# Altium PCB PCB_v1.PcbDoc (part 8 of 8)
Units mil, origin at the board's own origin, x right, y up, seen from the top; angles counter-clockwise.
Board outline 17000 x 5250 mil, 4 copper layers (Top Side, Ground Layer, Power Layer, Bottom Side), stack 33.2 mil thick; 637 components, 583 nets, 2779 pads, 978 vias.
Unrouted connection lines stored in the file: 104.
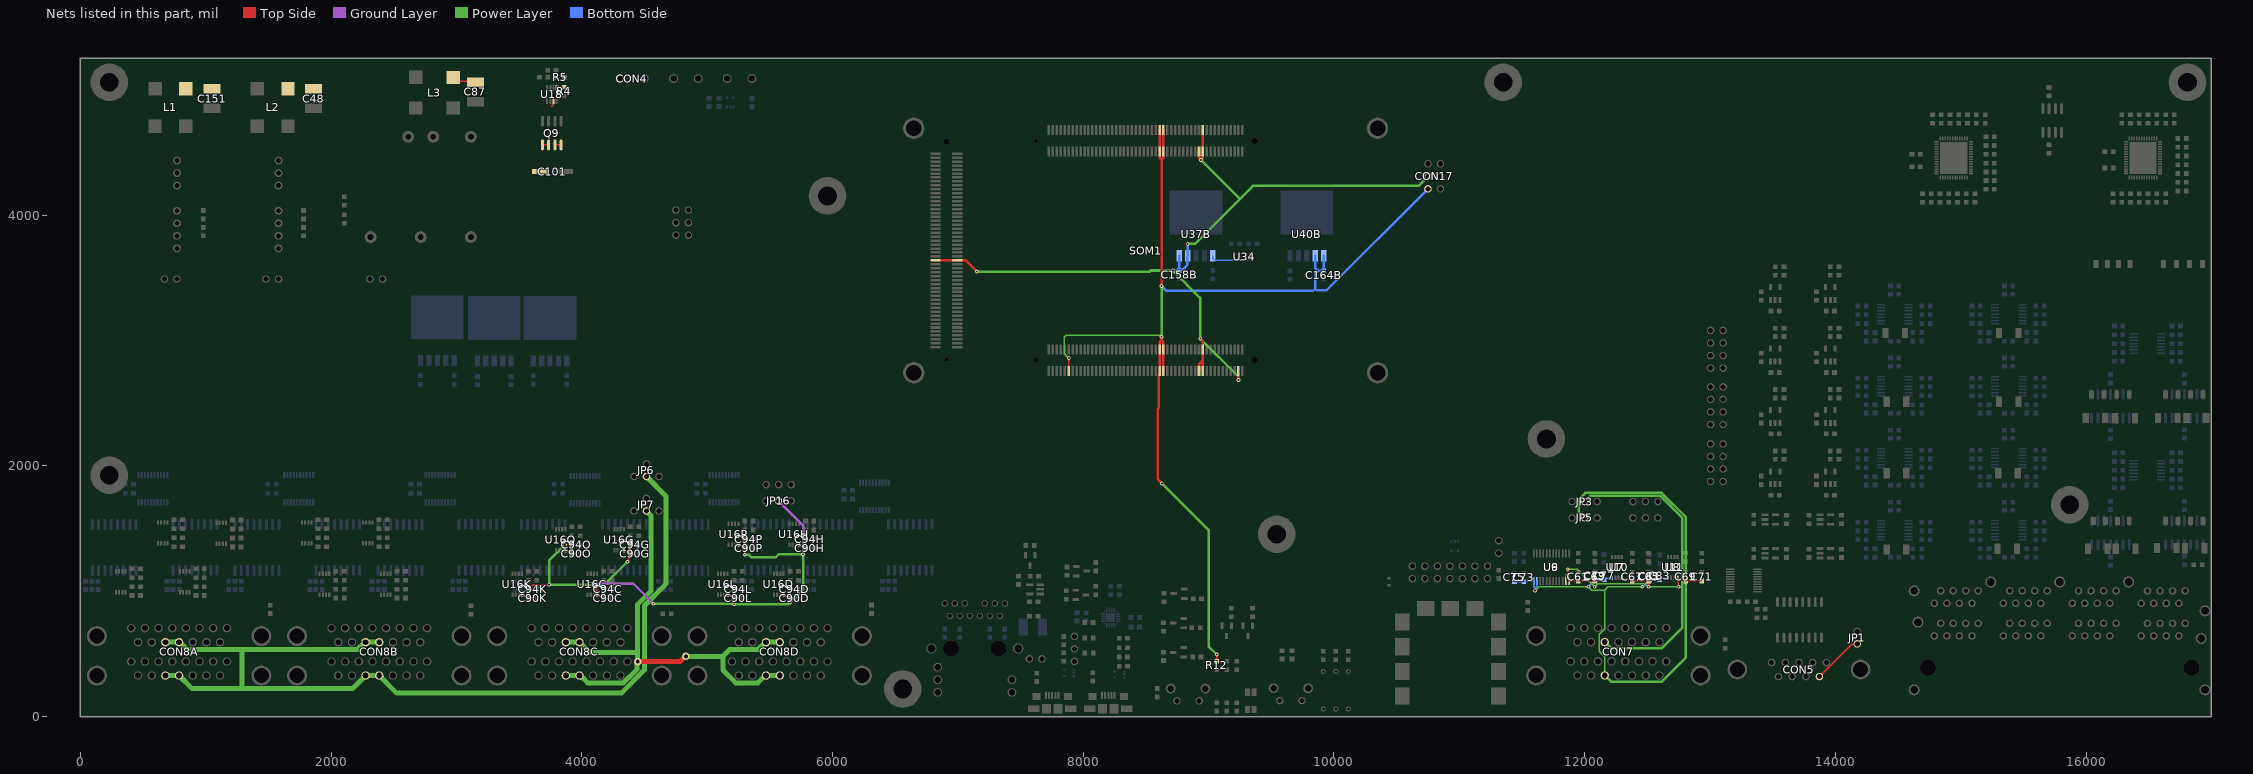
[diagram p10: the nets of this part, all layers, seen from the top]

## Via types
v1: diameter 30, hole 15, Top Side to Bottom Side, 913 vias
v2: diameter 25, hole 15, Top Side to Bottom Side, 30 vias
v3: diameter 60, hole 30, Top Side to Bottom Side, 29 vias
v4: diameter 50, hole 28, Top Side to Bottom Side, 4 vias
v5: diameter 40, hole 20, Top Side to Bottom Side, 2 vias

## Nets (pads, with @x,y where several pads share a name; then routed paths per layer and width w, separated by ;. In a path a pad name is that pad's centre, name@x,y a point inside that pad or via, vN(x,y) a via of type N, cw(c..) or ccw(c..) an arc to the next point about the centre after c; other vN are vias at no path point) (continued)
VBC: C90C.1 C90D.1 C90G.1 C90H.1 C90K.1 C90L.1 C90O.1 C90P.1 C94C.1 C94D.1 C94G.1 C94H.1 C94K.1 C94L.1 C94O.1 C94P.1 JP16.2 U16C.8 U16D.8 U16G.8 U16H.8 U16K.8 U16L.8 U16O.8 U16P.8 | length 5884.4
  Top Side w10: U16K.8@3522.07,972.11 3522.07,962.87 3525.34,959.61 3559,959.61 C90K.1@3573.61,945 C94K.1@3573.61,1016.67 3610.25,1053.31 v1(3739.09,1053.31) ; U16O.8@3869.02,1327.11 3869.02,1317.87 3872.28,1314.61 3905.94,1314.61 C90O.1@3920.55,1300 C94O.1@3920.55,1371.67 3918.88,1370 v1@3877.75,1370 ; v1(4068.5,1060) 4118.88,1009.62 4118.88,975.37 U16C.8@4122.15,972.11 4122.15,962.87 4125.42,959.61 4159.08,959.61 C90C.1@4173.69,945 C94C.1@4173.69,1016.67 ; U16G.8@4335.54,1327.11 4335.54,1317.87 4338.8,1314.61 4372.46,1314.61 C90G.1@4387.07,1300 ; v1(4365,1235) 4365,1240.41 4373.37,1248.78 4373.37,1286.3 C90G.1@4387.07,1300 ; C94G.1@4387.07,1371.67 C90G.1@4387.07,1300 ; U16L.8@5161.68,972.11 5161.68,962.87 5164.94,959.61 5198.61,959.61 C90L.1@5213.21,945 ; v1(5213.21,895.69) C90L.1@5213.21,945 ; C94L.1@5213.21,1016.67 C90L.1@5213.21,945 ; U16P.8@5248.18,1371.67 5248.18,1362.43 5251.45,1359.17 5285.11,1359.17 C90P.1@5299.72,1344.56 ; v1(5299.72,1290.87) C90P.1@5299.72,1344.56 ; C94P.1@5299.72,1416.23 C90P.1@5299.72,1344.56 ; U16D.8@5610,972.11 5610,962.87 5613.27,959.61 5646.93,959.61 C90D.1@5661.54,945 ; v1(5661.54,908.46) C90D.1@5661.54,945 ; C94D.1@5661.54,1016.67 C90D.1@5661.54,945 ; U16H.8@5732.54,1371.67 5732.54,1362.43 5735.8,1359.17 5769.46,1359.17 C90H.1@5784.07,1344.56 ; v1(5765,1295) 5765,1300.41 5770.37,1305.78 5770.37,1330.86 C90H.1@5784.07,1344.56 ; C94H.1@5784.07,1416.23 C90H.1@5784.07,1344.56
  Ground Layer w20: v1(4068.5,1060) 4410,1060 v1(4570,900) ; JP16.2@5570,1720 5765,1525 v1(5765,1295)
  Power Layer w20: v1(3865.54,1370) 3739.09,1243.56 v1(3739.09,1053.31) 4059.1,1053.31 4065.8,1060 4190,1060 v1(4365,1235) ; v1(4570,900) 5206.2,900 5212.07,894.13 5212.07,892.07 5215.69,895.69 5646.06,895.69 5660.36,910 5663.07,910 5765,1011.93 v1(5765,1295) 5569.73,1295 5544.73,1270 5353.57,1270 5334.61,1288.96 5301.63,1288.96 v1(5299.72,1290.87)
VCCIO_EN: U34.4 U37B.1 | length 237.9
  Bottom Side w10: U37B.1@9034.02,3676.54 9034.02,3656.94 9050.02,3640.94 U34.4@9245.71,3640.94
VCCO: C158B.1 CON17.3 SOM1.JX1-78 SOM1.JX1-79 SOM1.JX1-80 SOM1.JX2-78 SOM1.JX2-79 SOM1.JX2-80 SOM1.JX2-98 SOM1.JX3-45 SOM1.JX3-46 U37B.4 U37B.5 | length 6783.9
  Top Side w10: v1(9238.46,2685) SOM1.JX2-98@9238.46,2756.77
  Top Side w20: SOM1.JX3-45@6821.69,3639.15 6964.92,3639.15 SOM1.JX3-46@6994.92,3639.14 7064.14,3639.14 7150,3553.29 v1(7150,3550.35) ; SOM1.JX2-78@8923.5,2756.77 8923.5,2811.89 8955,2843.39 ; SOM1.JX1-78@8923.5,4506.77 8923.5,4456.77 v1@8940,4440.27 ; v1(8933.11,3015) 8933.11,3012.29 8955,2990.4 SOM1.JX2-79@8955,2930 8955,2843.39 ; v1(8940,4440) v1@8940,4440.27 ; SOM1.JX2-80@8955,2756.77 8955,2843.39 ; SOM1.JX1-79@8955,4680 8955,4536.77 SOM1.JX1-80@8955,4506.77 8955,4456.77 8940,4441.77 v1@8940,4440.27
  Power Layer w20: v1(7150,3550.35) 8529.27,3550.35 8537.39,3558.46 v1(8715,3558.46) 8933.11,3340.35 v1(8933.11,3015) 9236.55,2711.56 9236.55,2686.91 v1(9238.46,2685) ; v1(8833.02,3770.67) 8890.91,3770.67 9214.1,4093.85 9250.12,4129.88 ; v1(8940,4440) 9250.12,4129.88 ; CON17.3@10750,4310 10673.16,4233.16 9353.4,4233.16 9250.12,4129.88
  Bottom Side w20: v1(8715,3558.46) C158B.1@8766.02,3558.46 ; U37B.5@8766.02,3676.54 C158B.1@8766.02,3558.46 ; v1(8833.02,3770.67) U37B.4@8833.02,3676.54 8829.89,3673.4 8829.89,3601.54 8794.72,3566.37 8773.93,3566.37 C158B.1@8766.02,3558.46
VENCODER: CON5.6 JP1.2 | length 409.5
  Top Side w10: CON5.6@13873.58,319.09 14130,575.51 14170.51,575.51 JP1.2@14175,580
VGPIOA: C61.1 C63.1 C65.1 C67.1 C69.1 C71.1 CON7.13A JP3.2 U6.23 U6.24 U7.8 U8.8 | length 4365.9
  Top Side w10: U6.23@11850.16,1079.76 11850.16,1130.16 11865,1145 ; v1(11865,1175) 11865,1145 ; U6.24@11875.75,1079.76 U6.24@11875.75,1080.63 ; C63.1@12080,1081.54 C61.1@11950,1081.54 11876.65,1081.54 U6.24@11875.75,1080.63 ; U7.8@12295.98,1107.12 12295.98,1097.88 12299.25,1094.62 12366.92,1094.62 C67.1@12380,1081.54 C65.1@12510,1081.54 v1(12510,1035) ; U8.8@12741.77,1097.88 U8.8@12741.77,1107.12 ; v1(12750,1035) 12745.04,1039.96 12745.04,1094.62 12792.51,1094.62 C69.1@12805.59,1081.54 C71.1@12935,1081.54 ; 11865,1145 11875.75,1134.25 U6.24@11875.75,1080.63
  Power Layer w10: v1(11865,1175) 11940,1175 v1(12080,1035) 12105,1060 12485,1060 v1(12510,1035) v1(12750,1035) 12780,1035
  Power Layer w20: JP3.2@12000,1715 12045,1760 12603.64,1760 12780,1583.64 12780,1035 12780,708.91 12616.59,545.5 12209,545.5 CON7.13A@12160.5,594
VGPIOB: C73.1 C75.1 C77.1 C79.1 C81.1 C83.1 CON7.13B JP5.2 U9.23 U9.24 U10.8 U11.8 | length 5346.9
  Power Layer w10: v1(11605,1004.25) 11635.75,1035 v1(12030,1035) 12056,1009 12160,1009 12186,1035 v1(12460,1035) ; CON7.13B@12160,328.5 12160.5,329 12160.5,477.7 12117,521.2 12117,655.48 12160.5,698.98 12160.5,1008.5
  Power Layer w20: JP5.2@12000,1585 11955,1630 11955,1733.64 12006.36,1785 12613.99,1785 12805,1593.99 12805,467.91 12616.59,279.5 12209,279.5 CON7.13B@12160,328.5
  Bottom Side w10: C75.1@11438.46,1075 C75.1@11440,1076.54 C73.1@11515,1076.54 11517.32,1078.86 11593.35,1078.86 U9.24@11594.25,1079.76 11595.16,1078.86 11595.16,1034.84 11605,1025 ; v1(11605,1004.25) 11605,1025 ; U9.23@11619.84,1079.76 11618.94,1078.86 11618.94,1038.94 11605,1025 ; v1(12030,1035) 12030,1036.54 C79.1@12085,1091.54 C77.1@12155,1091.54 12168.7,1105.24 12218.13,1105.24 U10.8@12220,1107.11 ; v1(12460,1035) 12463.83,1038.83 12472.29,1038.83 C81.1@12520,1086.54 12595,1086.54 12613.7,1105.24 12663.13,1105.24 U11.8@12665,1107.11
VIN: CON4.1 Q9.7 Q9.8 R4.2 R5.2 U18.1 | length 113.7
  Top Side w10: Q9.7@3785,4560.56 Q9.8@3835,4560.56 ; U18.1@3799.56,5015.05 3799.56,5017.99 3802.43,5020.87 R4.2@3859.14,5020.87
VIN2: C48.2 C87.2 C101.1 C151.2 L1.1 L2.1 L3.2 Q9.5 Q9.6 U18.7 | length 306.1
  Top Side w10: L3.2@2973.89,5098.87 3002.76,5070 3140.43,5070 C87.2@3150,5060.43 ; Q9.5@3685,4560.56 Q9.6@3735,4560.56 ; 3735,4630 3735,4638.6 ; 3755.73,4863.97 3771.09,4879.33 3771.09,4909.02 U18.7@3773.97,4911.9
VIN_HDR: C164B.1 CON17.1 R12.2 SOM1.JX1-57 SOM1.JX1-58 SOM1.JX1-59 SOM1.JX1-60 SOM1.JX2-12 SOM1.JX2-57 SOM1.JX2-58 SOM1.JX2-59 SOM1.JX2-60 U40B.1 U40B.2 | length 8959.7
  Top Side w10: SOM1.JX2-12@7884.13,2756.77 7884.57,2757.2 7884.57,2859.57 v1(7885,2860) ; R12.2@9065,441.06 v1(9065,495)
  Top Side w20: SOM1.JX1-57@8608.54,4680 8608.54,4650 SOM1.JX1-58@8608.54,4506.77 8608.54,4456.2 8625,4439.74 ; v1(8625,3030) 8625,3005 ; v1(8625,3435) 8625,4439.74 ; v1(8627.05,1860) 8595,1892.05 8595,2457.43 8602.05,2464.47 8602.05,2720.28 8608.54,2726.77 SOM1.JX2-58@8608.54,2756.77 8608.54,2900 SOM1.JX2-57@8608.54,2930 8608.54,2988.54 8625,3005 ; SOM1.JX2-60@8640.04,2756.77 8640.04,2989.96 8625,3005 ; SOM1.JX1-59@8640.04,4680 8640.04,4536.77 SOM1.JX1-60@8640.04,4506.77 8640.04,4454.78 8625,4439.74
  Power Layer w10: v1(7885,2860) 7850,2895 7850,3025.36 7864.64,3040 8609.59,3040 8619.59,3030 v1(8625,3030)
  Power Layer w20: v1(8625,3030) v1(8625,3435) ; v1(8627.05,1860) 9000,1487.05 9000,560 v1(9065,495)
  Bottom Side w20: v1(8625,3435) 8665,3395 9833,3395 9850.88,3412.88 ; U40B.2@9850.88,3676.54 9850.88,3577.13 9873.01,3555 ; U40B.1@9917.88,3676.54 C164B.1@9917.88,3555 9873.01,3555 ; CON17.1@10750,4210 9941.17,3401.17 9862.6,3401.17 9850.88,3412.88 ; 9850.88,3412.88 9850.88,3532.87 9873.01,3555
VSUPPLYA: CON8A.12A CON8A.12B CON8A.13A CON8A.13B CON8B.12A CON8B.12B CON8B.13A CON8B.13B JP6.2 | length 7792.9
  Power Layer w40: CON8A.13B@677.5,327 CON8A.12B@786.5,327 891.5,222 1290,222 ; CON8A.13A@677.5,593 793.81,593 852.31,534.5 1300,534.5 ; CON8B.12A@2383.83,593 2267.53,593 2209.03,534.5 1300,534.5 ; JP6.2@4515,1914.99 4670,1759.99 4670,1056.57 4500,886.57 4500,372.46 4314.57,187.03 2523.8,187.03 CON8B.12B@2383.83,327 CON8B.13B@2274.83,327 2169.83,222 1290,222 ; 1290,222 1290,524.5 1300,534.5
VSUPPLYB: CON8C.12A CON8C.12B CON8C.13A CON8C.13B CON8D.12A CON8D.12B CON8D.13A CON8D.13B JP7.2 | length 4395.4
  Top Side w40: v3(4445,439) 4783.73,439 4824.73,480 v3(4830.14,480)
  Power Layer w40: CON8C.13B@3872.17,327 3988.47,327 4046.97,268.5 4332.4,268.5 4441.17,377.28 4441.17,435.17 v3(4445,439) 4445,510.51 ; CON8C.13A@3872.17,593 CON8C.12A@3981.17,593 4063.65,510.51 4445,510.51 ; JP7.2@4515,1640 4515,1639.33 4550,1604.33 4550,1000.21 4445,895.21 4445,510.51 ; v3(4830.14,480) 5115,480 5125,470 5125,370.77 5227.27,268.5 5403.69,268.5 5462.19,327 CON8D.12B@5578.5,327 ; 5120,475 5179.5,534.5 5403.69,534.5 5462.19,593 CON8D.12A@5578.5,593
pads on no net: CON1. CON6. CON6.15 CON9.5 CON9.6 CON9.7 CON10.12 CON11.SH CON12.4 CON12.SH D1.1 D1.3 D1.5 D8.4 SOM1.0 SOM1.JX1-5 SOM1.JX1-7 SOM1.JX1-91 SOM1.JX1-93 SOM1.JX1-94 SOM1.JX2-7 SOM1.JX2-9 SOM1.JX3-1 SOM1.JX3-2 SOM1.JX3-3 SOM1.JX3-4 SOM1.JX3-5 SOM1.JX3-7 SOM1.JX3-8 SOM1.JX3-9 SOM1.JX3-10 SOM1.JX3-11 SOM1.JX3-13 SOM1.JX3-14 SOM1.JX3-15 SOM1.JX3-16 SOM1.JX3-19 SOM1.JX3-20 SOM1.JX3-21 SOM1.JX3-22 SOM1.JX3-25 SOM1.JX3-26 SOM1.JX3-27 SOM1.JX3-28 SOM1.JX3-30 SOM1.JX3-31 SOM1.JX3-32 SOM1.JX3-33 SOM1.JX3-34 SOM1.JX3-36 SOM1.JX3-37 SOM1.JX3-38 SOM1.JX3-39 SOM1.JX3-40 U1.42 U2.42 U3.3 U3.8 U4.5 U4.16 U5.8 U14.3 U14.8 U18.6 U38A.4 U38B.4 U38C.4 U38D.4 U43.3 U44.1 U44.2 U44.10 U44.11 U44.13 U44.15 U44.16 U45.1 U45.5 U45.7 U45.8 U47A.1 U47A.7 U47B.1 U47B.7 U48A.1 U48A.7 U48B.1 U48B.7

## Polygon pours and split planes (outlines as drawn)
SH_AGND on Top Side "SH_AGND_POUR" (solid, pour order 13): 16910,1132.53 16910,1150 16985,1150 16985,0 14390,0 14390,1132.53
SH_USBOTG on Top Side "SH_USBOTG_POUR" (solid, pour order 9): 7535,0 7535,313.03 7975,313.03 7975,0
SH_GND_INV on Top Side "SH_GND_INV_POUR" (solid, pour order 23): 3075,775 3075,855 3155,855 3155,5 1615,5 1615,775
SH_GND_INV on Top Side "SH_GND_INV_POUR" (solid, pour order 15): 1475,860 1475,775 15,775 15,5 1555,5 1555,860
VIN on Top Side "SH_GND_INV_POUR" (solid, pour order 79): 4410,5250 4410,4480 3740,4480 3740,5250
SH_GPIO on Top Side "VIN_POUR" (solid, pour order 29): 13040,0 11500,0 11500,880 11595,880 11595,775 13040,775
SH_GND_INV on Top Side "SH_GND_INV_POUR" (solid, pour order 27): 6350,857.07 6270,857.07 6270,775 4805,775 4805,5 6350,5
SH_GND_INV on Top Side "SH_GND_INV_POUR" (solid, pour order 25): 4750,860 4670,860 4670,775 3210,775 3210,5 4750,5
SH_ETH on Top Side "SH_ETH_POUR" (solid, pour order 8): 7435.14,1010 7435.34,1095 7535,1095 7535,0 6725,0 6725,1010
VIN2 on Top Side "VIN2_L01_P002" (solid, pour order 2): 3770,4940 3770.87,4939.13 3770.87,4300 3420,4300 3420,4925 720,4925 720,5230 3770,5230
SH_USBUART on Top Side "SH_USBOTG_POUR" (solid, pour order 11): 7985,0 7985,313.03 8410,313.03 8410,0
SH_ENC on Top Side "SH_ENC_POUR" (solid, pour order 6): 13212.07,495 13168.53,538.54 13168.53,580 13065,580 13065,0 14320,0 14320,495
VIN2 on Top Side "VIN_POUR" (solid, pour order 4): 13070,21.73
no net on Top Side "Component Side-No Net" (solid, pour order 0): 0,4750
5.5V on Power Layer (solid, pour order 81): 13505,3450.49 13505,1690 13906,1690 13906,1250 13267.61,1250 13267.61,3448.1 13270,3450.49 8860.51,3450.49 8713.55,3597.45 6345.76,3597.45 5353.31,2605 2740,2605 2740,2800 5227.78,2800 6195.67,3767.89 13505,3767.89
-16V on Power Layer "-16V_POUR" (solid, pour order 59): 11859.09,5050 11519.09,4710 11142.1,4710 10798.91,5050 1700.71,5050 1700.71,3586.59 1520.35,3586.43 1520.35,3426.57 1700.71,3426.57 1920,3426.57 1920,4900 10748.39,4900 11080.72,4565.62 11585.62,4565.62 11920,4900 13529.75,4900 13529.75,1732.6 13724.98,1732.6 13725,5050
2.5VREF on Power Layer "2V5_REF" (solid, pour order 77): 14910,4280 14910,4160 15161.41,4160 15161.41,4105 16798.46,4105 16798.46,4710 16550,4710 16550,4640 16620,4640 16620,4270 15890,4270 15890,4600.17 15705,4600 15705,4225 15268.46,4225 15268.46,4715 15050,4715 15050,4635 15105,4635 15105,4280
+16V on Power Layer "+16V_POUR" (solid, pour order 57): 11771.09,5225 11436.09,4890 11258.69,4890 10926.43,5225 910,5225 910,3586.47 720,3586.59 720,3426.57 1100,3426.57 1100,5075 10821.13,5075 11163.06,4733.07 11498.07,4733.07 11840,5075 13750,5075 13750,1731.39 13950,1731.39 13950,5075 13950,5225
GND_IN on Bottom Side (solid, pour order 85): 3926.67,4752.06 3926.67,4329.27 3925.98,4328.58 3810.37,4328.58 3810.37,4751.69 3810,4752.06 500,4752.06 500,5250 4547.48,5250 4550,5247.48 4550,4752.06
no net on Bottom Side (solid, pour order 83): 4545.72,5234.71
GND on Ground Layer "GND_POWER" (solid, pour order 31): 0,5250 0,0 17000,0 17000,5250

## Other copper
Top Side:
  text "A" at 11130.67,3713.71 h140
  text "M" at 11130.67,3517.05 h140
  text "D" at 11134,3320.38 h140
  text "C" at 11134,3123.71 h140

## Silkscreen, mask and mechanical layers (free items; w line width, h text height)
Top Overlay:
  lines w10: 4895,3840 4920,3840 4920,3940 ; 4895,3940 4920,3940 ; 4895,4040 4920,4040 4920,3940 ; 5394.83,1745 5394.83,1720 5424.83,1720 ; 5394.83,1825 5394.83,1850 5424.83,1850 ; 5714.83,1720 5744.83,1720 5744.83,1745 ; 5714.83,1850 5744.83,1850 5744.83,1825 ; 10498.31,4125 11850,4125 11875,4150 11875,4475 11850,4500 10498.31,4500 ; 10625,1245 10625,1270 10725,1270 ; 10725,1245 10725,1270 ; 10825,1245 10825,1270 ; 10895,4210 10920,4210 10920,4310 ; 10895,4310 10920,4310 ; 10895,4410 10920,4410 10920,4310 ; 11025,1245 11025,1270 ; 11125,1245 11125,1270 ; 11225,1245 11225,1270 11125,1270 ; 11825,1610 11825,1585 11855,1585 ; 11825,1690 11825,1715 11855,1715 ; 11875,1650 12000,1650 12125,1650 ; 12145,1585 12175,1585 12175,1610 ; 12145,1715 12175,1715 12175,1690 ; 12310,1610 12310,1585 12340,1585 ; 12310,1690 12310,1715 12340,1715 ; 12360,1650 12485,1650 12610,1650 ; 12630,1585 12660,1585 12660,1610 ; 12630,1715 12660,1715 12660,1690 ; 12960,1875 12935,1875 12935,1975 ; 12960,1975 12935,1975 ; 12960,2075 12935,2075 ; 12960,2175 12935,2175 12935,2075 ; 13150,2330 13175,2330 13175,2430 ; 13150,2430 13175,2430 ; 13150,2530 13175,2530 ; 13150,2630 13175,2630 13175,2530 ; 13150,2780 13175,2780 13175,2880 ; 13150,2880 13175,2880 ; 13150,2980 13175,2980 ; 13150,3080 13175,3080 13175,2980 ; 10725,1270 10825,1270 ; 10825,1270 10925,1270 ; 10925,1270 10925,1245 10925,1270 ; 10925,1270 11025,1270 ; 11025,1270 11125,1270 ; 12935,1975 12935,2075 ; 13175,2430 13175,2530 ; 13175,2880 13175,2980 ; 4175,1600 4180,1595 4515,1595 4970,1595 4975,1600 4975,2295 4970,2300 4180,2300 4175,2295 4175,1600 ; 4200,3800 4225,3775 5350,3775 5375,3800 5375,4401.54 5350,4426.54 4226.54,4426.54 4200,4400 4200,3800 ; 5325,1680 5330,1675 5575,1675 6170,1675 6175,1680 6175,2145 6170,2150 5330,2150 5325,2145 5325,1680 ; 11750,1500 11775,1475 12000,1475 12700,1475 12725,1500 12725,1900 12700,1925 11775,1925 11750,1900 11750,1500
  lines w50: 12080,2595 12175,2595 12305,2725 12305,3875 ; 12091.29,2595 11175,2595 11050,2720 11050,2745 11050,3880 11176.39,4006.39 12173.61,4006.39 ; 12178.61,4006.39 12305,3880
  text "V+" at 4251.59,4855 h45
  text "V-" at 4448.44,4855 h45
  text "V-" at 4681.59,4855 h45
  text "V+" at 4878.44,4855 h45
  text "VIN" at 4211.3,4690 h60
  text "VDRIVE" at 4603.82,4690 h60
  text "ESTOP" at 4957.27,4690 h60
  text "GND" at 10885,4424.17 h30
  text "2V5REF" at 10513.26,4375.01 h30
  text "VCCO" at 10513.26,4275.01 h30
  text "VOLTAGE / TEST POINTS" at 11020,4192.04 h75
  text "VINHDR" at 10500,4175.01 h30
  text "GENERAL VOLTAGE / TEST POINTS" at 4210,4145 h75
  text "GND" at 4885,4054.17 h30
  text "5V" at 4550,4005.01 h30
  text "3V3" at 4550,3905.01 h30
  text "1V8" at 4550,3805.01 h30
  text "+16V" at 500,3340 h40
  text "-16V" at 1280,3340 h40
  text "5V5" at 2120,3340 h40
  text "dvanced / otor / rive / ontroller" at 11294,3128.71 h110
  text "GND" at 13140,3094.17 h30
  text "D-" at 12890,3045 h30
  text "D+" at 12890,2945 h30
  text "C-" at 12890,2845 h30
  text "Severson Group" at 11170,2770 h200
  text "C+" at 12890,2745 h30
  text "REV20180702A" at 11180,2660 h50
  text "GND" at 13140,2644.17 h30
  text "B-" at 12890,2595 h30
  text "15V" at 12865,2550 h75 r90
  text "+" at 12801.51,2525 h40 r90
  text "-" at 12841.51,2525.15 h40 r90
  text "DRIVE" at 4940,2497.79 h75
  text "B+" at 12890,2495 h30
  text "A-" at 12890,2395 h30
  text "CONTROL" at 4875,2369.33 h75
  text "A+" at 12890,2295 h30
  text "SUPPLY" at 4363.38,2220 h50
  text "GND" at 12870,2190 h30
  text "A" at 13140,2145 h30
  text "VOLTAGE" at 4338.39,2140 h50
  text "SIGNAL" at 5429.99,2060 h50
  text "3V3" at 4452.52,2044.99 h30
  text "C" at 13140,2045 h30
  text "INV1..4" at 4595,2005 h50
  text "VOLTAGE" at 5405,1970 h50
  text "GPIO" at 12005,1945 h125
  text "B" at 13140,1945 h30
  text "2.5V" at 12865,1890 h75 r90
  text "VDRIVE" at 4185,1880 h30
  text "5V" at 4665,1880 h30
  text "D" at 13140,1845 h30
  text "INV1..4" at 5815,1815.01 h50
  text "-16V / SHORT" at 1620,1805 h40
  text "5V5 / SHORT" at 3104.29,1790.99 h40
  text "VOLTAGE" at 11730.08,1785 h50
  text "DIRECTION" at 12266.73,1785 h50
  text "3V3" at 4452.52,1770 h30
  text "A" at 11978.34,1755 h35
  text "A" at 12463.34,1755 h35
  text "3V3" at 5324.83,1750 h30
  text "5V" at 5684.83,1750 h30
  text "INV5..8" at 4590,1730 h50
  text "INV5..8" at 5815,1685.01 h50
  text "ETHERNET" at 6630.99,1672.5 h125
  text "USB" at 7785,1660 h125
  text "3V3" at 11755,1615 h30
  text "5V" at 12115,1615 h30
  text "1V8" at 12240,1615 h30
  text "0V" at 12600,1615 h30
  text "VDRIVE" at 4185,1605.01 h30
  text "5V" at 4665,1605.01 h30
  text "INVERTERS" at 2685,1547.87 h125
  text "B" at 11978.34,1490 h35
  text "B" at 12463.34,1490 h35
  text "OTG" at 7631.73,1485 h75
  text "UART" at 8043.53,1485 h75
  text "JTAG" at 10674.77,1330 h125
  text "GND" at 10615,1280 h30
  text "ANALOG INPUTS" at 14900,1120 h125
  text "3V3" at 10650,910 h30 r90
  text "TMS" at 10750,910 h30 r90
  text "TCK" at 10850,910 h30 r90
  text "TDO" at 10950,910 h30 r90
  text "TDI" at 11050,910 h30 r90
  text "NC" at 11150,910 h30 r90
  text "RST" at 11250,910 h30 r90
  text "INVERTERS 1..2" at 130,778 h50
  text "INVERTERS 3..4" at 1727.33,778 h50
  text "INVERTERS 5..6" at 3324.67,778 h50
  text "INVERTERS 7..8" at 4922,778 h50
  text "BTN1" at 9473.14,277.38 h70
  text "RESET" at 8653.06,274.78 h70
Top Solder:
  text "A" at 11125.64,3578.71 h140
  text "M" at 11125.64,3382.05 h140
  text "D" at 11128.97,3185.38 h140
  text "C" at 11128.97,2988.71 h140
Mechanical 1:
  the board outline again, w1

## Text inside footprints (layer, text, board x,y; h text height)
SOM1: Top Overlay "JX3" at 6981.81,2784.89 h60 r180; Top Overlay "100" at 7096.81,4477.89 h40 r90; Top Overlay "99" at 6761.81,4480.89 h40 r90; Top Overlay "2" at 7078.29,2896.89 h40 r90; Top Overlay "1" at 6775.29,2915.89 h40 r90; Top Overlay "25" at 6747.32,3289.47 h30 r90; Top Overlay "26" at 7087.32,3296.47 h30 r90; Top Overlay "51" at 6747.32,3704.47 h30 r90; Top Overlay "75" at 6752.32,4086.47 h30 r90; Top Overlay "76" at 7097.32,4086.47 h30 r90; Top Overlay "50" at 7097.32,3676.47 h30 r90; Top Overlay "50" at 8456.89,4404.38 h30; Top Overlay "76" at 8866.89,4404.38 h30; Top Overlay "75" at 8866.89,4749.38 h30; Top Overlay "51" at 8491.89,4754.38 h30; Top Overlay "26" at 8076.89,4414.38 h30; Top Overlay "25" at 8076.89,4754.38 h30; Top Overlay "1" at 7696.31,4726.4 h40; Top Overlay "2" at 7677.31,4423.4 h40; Top Overlay "99" at 9296.89,4729.38 h40; Top Overlay "100" at 9296.89,4414.38 h40; Top Overlay "100" at 9296.89,2664.38 h40; Top Overlay "99" at 9296.89,2979.38 h40; Top Overlay "2" at 7677.31,2673.4 h40; Top Overlay "1" at 7696.31,2976.4 h40; Top Overlay "25" at 8076.89,3004.38 h30; Top Overlay "26" at 8076.89,2664.38 h30; Top Overlay "51" at 8491.89,3004.38 h30; Top Overlay "75" at 8866.89,2999.38 h30; Top Overlay "76" at 8866.89,2654.38 h30; Top Overlay "50" at 8456.89,2654.38 h30; Top Overlay "JX2" at 7561.31,2762.89 h60 r90; Top Overlay "JX1" at 7565.31,4519.89 h60 r90; Top Overlay "TM" at 8457.81,4143.89 h15 r90
U1: Mechanical 13 "*" at 15065,4318.74 h50 r180
U2: Mechanical 13 "*" at 16575,4318.74 h50 r180